# KiCad board Skayboard.kicad_pcb
title: Skayboard; date: 2022-06-07; rev: 0; company: Skaytacium Inc.
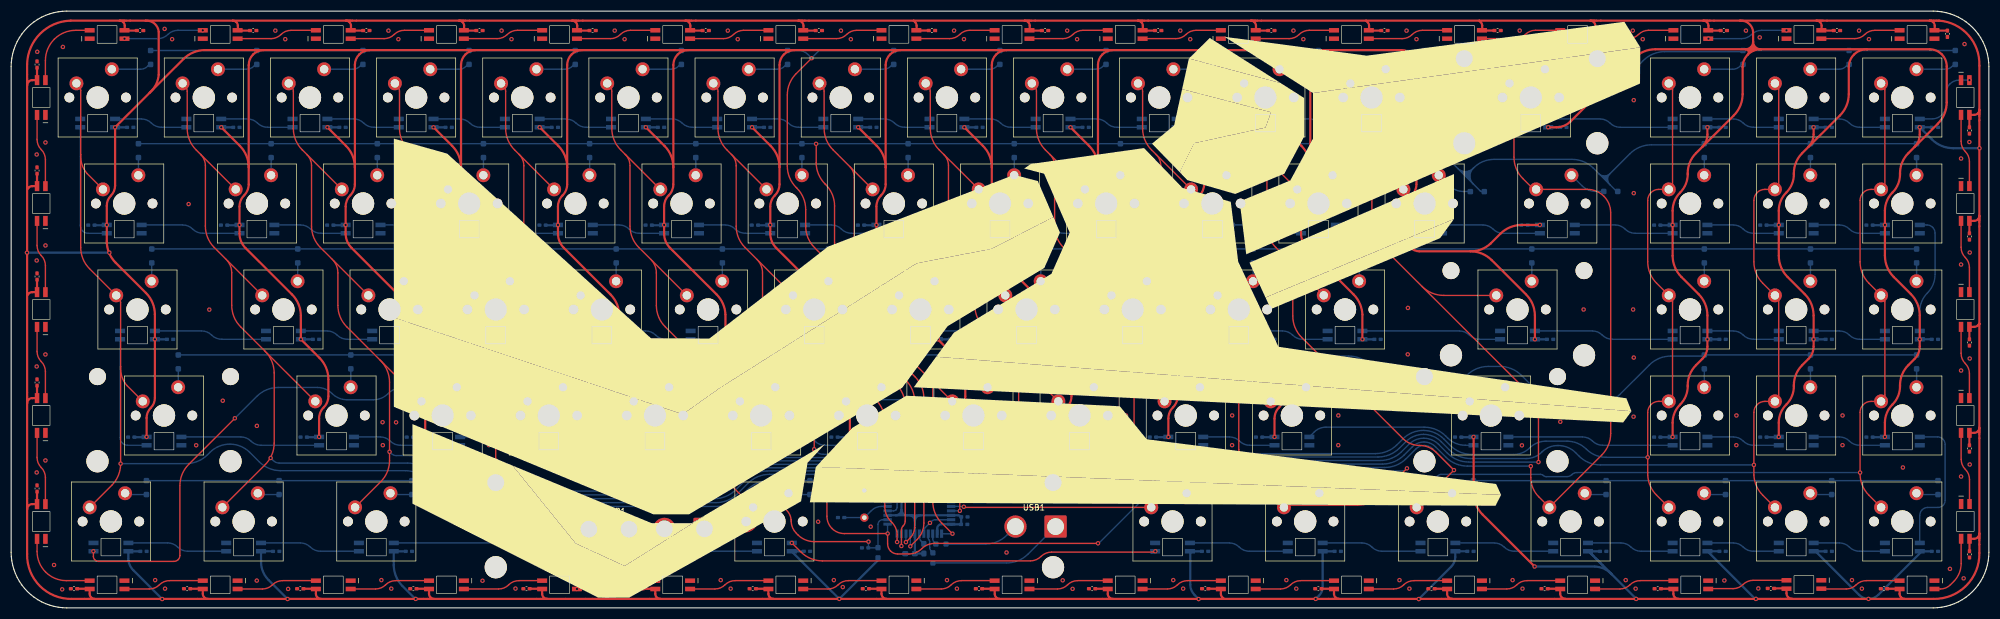
[diagram p0: board, top side]
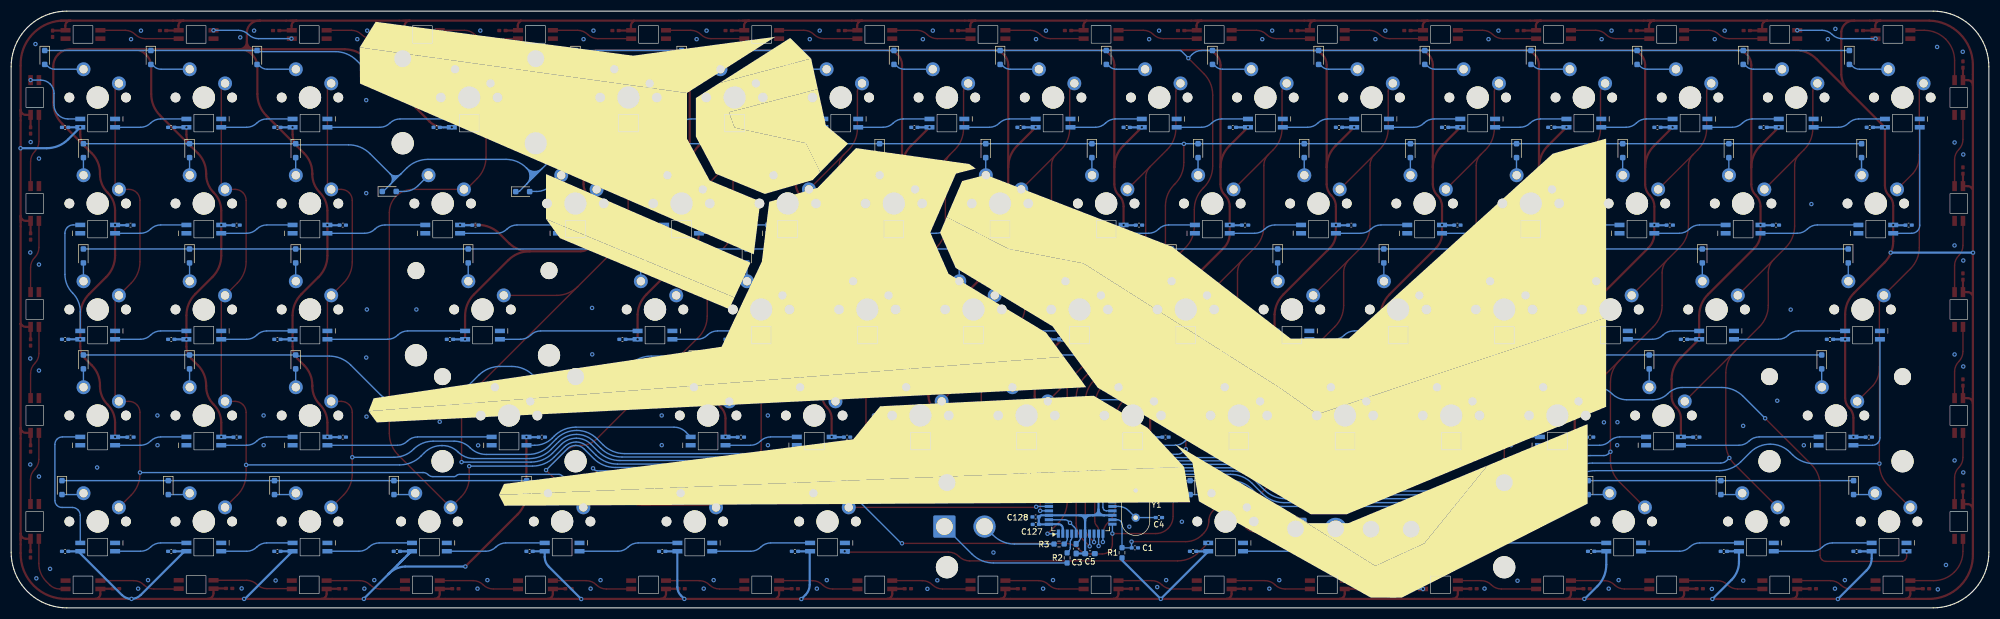
[diagram p1: board, bottom side, seen from below]

Outline 354.9 x 107.25 mm; copper layers: Top, Bottom. Coordinates in mm from the lower left corner of the outline.
Outline path: 0,10 0,97.25 0.03,98.04 0.12,98.82 0.28,99.59 0.49,100.34 0.76,101.08 1.09,101.79 1.47,102.48 1.91,103.13 2.4,103.75 2.93,104.32 3.51,104.86 4.12,105.34 4.78,105.78 5.46,106.16 6.17,106.49 6.91,106.76 7.67,106.98 8.44,107.13 9.22,107.22 10,107.25 344.9,107.25 345.69,107.22 346.47,107.13 347.24,106.98 347.99,106.76 348.73,106.49 349.44,106.16 350.13,105.78 350.78,105.34 351.4,104.86 351.97,104.32 352.51,103.75 352.99,103.13 353.43,102.48 353.81,101.79 354.14,101.08 354.41,100.34 354.62,99.59 354.78,98.82 354.87,98.04 354.9,97.25 354.9,10 354.87,9.22 354.78,8.44 354.62,7.67 354.41,6.91 354.14,6.17 353.81,5.46 353.43,4.78 352.99,4.12 352.51,3.51 351.97,2.93 351.4,2.4 350.78,1.91 350.13,1.47 349.44,1.09 348.73,0.76 347.99,0.49 347.24,0.28 346.47,0.12 345.69,0.03 344.9,0 10,0 9.22,0.03 8.44,0.12 7.67,0.28 6.91,0.49 6.17,0.76 5.46,1.09 4.78,1.47 4.12,1.91 3.51,2.4 2.93,2.93 2.4,3.51 1.91,4.12 1.47,4.78 1.09,5.46 0.76,6.17 0.49,6.91 0.28,7.67 0.12,8.44 0.03,9.22 0,10
Stack: Top 0.035mm / dielectric 1.51mm FR4 er 4.5 / Bottom 0.035mm

## Placement (name value [footprint] x y rotation side)
C1  100nF  [C_0402_1005Metric_Pad0.74x0.62mm_HandSolder]  153.25 10.79 0 bottom
C2  22pF  [C_0402_1005Metric_Pad0.74x0.62mm_HandSolder]  149.03 21.09 0 bottom
C3  1uF  [C_0603_1608Metric_Pad1.08x0.95mm_HandSolder]  163.79 10.63 90 bottom
C4  22pF  [C_0402_1005Metric_Pad0.74x0.62mm_HandSolder]  148.93 16.23 0 bottom
C5  10uF  [C_0603_1608Metric_Pad1.08x0.95mm_HandSolder]  161.3 9.74 0 bottom
C6  100nF  [C_0402_1005Metric_Pad0.74x0.62mm_HandSolder]  170.4 23.61 90 bottom
C7  100nF  [C_0402_1005Metric_Pad0.74x0.62mm_HandSolder]  21.37 86.37 180 bottom
C8  100nF  [C_0402_1005Metric_Pad0.74x0.62mm_HandSolder]  40.42 86.37 180 bottom
C9  100nF  [C_0402_1005Metric_Pad0.74x0.62mm_HandSolder]  59.47 86.37 180 bottom
C10  100nF  [C_0402_1005Metric_Pad0.74x0.62mm_HandSolder]  78.52 86.37 180 bottom
C11  100nF  [C_0402_1005Metric_Pad0.74x0.62mm_HandSolder]  97.57 86.37 180 bottom
C12  100nF  [C_0402_1005Metric_Pad0.74x0.62mm_HandSolder]  116.62 86.37 180 bottom
C13  100nF  [C_0402_1005Metric_Pad0.74x0.62mm_HandSolder]  135.67 86.37 180 bottom
C14  100nF  [C_0402_1005Metric_Pad0.74x0.62mm_HandSolder]  154.72 86.37 180 bottom
C15  100nF  [C_0402_1005Metric_Pad0.74x0.62mm_HandSolder]  173.77 86.37 180 bottom
C16  100nF  [C_0402_1005Metric_Pad0.74x0.62mm_HandSolder]  192.82 86.37 180 bottom
C17  100nF  [C_0402_1005Metric_Pad0.74x0.62mm_HandSolder]  211.87 86.37 180 bottom
C18  100nF  [C_0402_1005Metric_Pad0.74x0.62mm_HandSolder]  230.92 86.37 180 bottom
C19  100nF  [C_0402_1005Metric_Pad0.74x0.62mm_HandSolder]  249.97 86.37 180 bottom
C20  100nF  [C_0402_1005Metric_Pad0.74x0.62mm_HandSolder]  278.54 86.37 180 bottom
C21  100nF  [C_0402_1005Metric_Pad0.74x0.62mm_HandSolder]  307.12 86.37 180 bottom
C22  100nF  [C_0402_1005Metric_Pad0.74x0.62mm_HandSolder]  326.17 86.37 180 bottom
C23  100nF  [C_0402_1005Metric_Pad0.74x0.62mm_HandSolder]  345.22 86.37 180 bottom
C24  100nF  [C_0402_1005Metric_Pad0.74x0.62mm_HandSolder]  14.4 68.79 0 bottom
C25  100nF  [C_0402_1005Metric_Pad0.74x0.62mm_HandSolder]  38.22 68.79 0 bottom
C26  100nF  [C_0402_1005Metric_Pad0.74x0.62mm_HandSolder]  57.27 68.79 0 bottom
C27  100nF  [C_0402_1005Metric_Pad0.74x0.62mm_HandSolder]  76.32 68.79 0 bottom
C28  100nF  [C_0402_1005Metric_Pad0.74x0.62mm_HandSolder]  95.37 68.79 0 bottom
C29  100nF  [C_0402_1005Metric_Pad0.74x0.62mm_HandSolder]  114.42 68.79 0 bottom
C30  100nF  [C_0402_1005Metric_Pad0.74x0.62mm_HandSolder]  133.47 68.79 0 bottom
C31  100nF  [C_0402_1005Metric_Pad0.74x0.62mm_HandSolder]  152.52 68.79 0 bottom
C32  100nF  [C_0402_1005Metric_Pad0.74x0.62mm_HandSolder]  171.57 68.79 0 bottom
C33  100nF  [C_0402_1005Metric_Pad0.74x0.62mm_HandSolder]  190.62 68.79 0 bottom
C34  100nF  [C_0402_1005Metric_Pad0.74x0.62mm_HandSolder]  209.67 68.79 0 bottom
C35  100nF  [C_0402_1005Metric_Pad0.74x0.62mm_HandSolder]  228.72 68.79 0 bottom
C36  100nF  [C_0402_1005Metric_Pad0.74x0.62mm_HandSolder]  247.77 68.79 0 bottom
C37  100nF  [C_0402_1005Metric_Pad0.74x0.62mm_HandSolder]  271.58 68.79 0 bottom
C38  100nF  [C_0402_1005Metric_Pad0.74x0.62mm_HandSolder]  295.39 68.79 0 bottom
C39  100nF  [C_0402_1005Metric_Pad0.74x0.62mm_HandSolder]  314.44 68.79 0 bottom
C40  100nF  [C_0402_1005Metric_Pad0.74x0.62mm_HandSolder]  333.49 68.79 0 bottom
C41  100nF  [C_0402_1005Metric_Pad0.74x0.62mm_HandSolder]  21.55 30.69 0 bottom
C42  100nF  [C_0402_1005Metric_Pad0.74x0.62mm_HandSolder]  54.7 48.26 180 bottom
C43  100nF  [C_0402_1005Metric_Pad0.74x0.62mm_HandSolder]  73.75 48.26 180 bottom
C44  100nF  [C_0402_1005Metric_Pad0.74x0.62mm_HandSolder]  92.8 48.26 180 bottom
C45  100nF  [C_0402_1005Metric_Pad0.74x0.62mm_HandSolder]  111.85 48.26 180 bottom
C46  100nF  [C_0402_1005Metric_Pad0.74x0.62mm_HandSolder]  130.9 48.26 180 bottom
C47  100nF  [C_0402_1005Metric_Pad0.74x0.62mm_HandSolder]  149.95 48.26 180 bottom
C48  100nF  [C_0402_1005Metric_Pad0.74x0.62mm_HandSolder]  169 48.26 180 bottom
C49  100nF  [C_0402_1005Metric_Pad0.74x0.62mm_HandSolder]  188.05 48.26 180 bottom
C50  100nF  [C_0402_1005Metric_Pad0.74x0.62mm_HandSolder]  207.1 48.26 180 bottom
C51  100nF  [C_0402_1005Metric_Pad0.74x0.62mm_HandSolder]  226.15 48.26 180 bottom
C52  100nF  [C_0402_1005Metric_Pad0.74x0.62mm_HandSolder]  245.2 48.26 180 bottom
C53  100nF  [C_0402_1005Metric_Pad0.74x0.62mm_HandSolder]  276.16 48.26 180 bottom
C54  100nF  [C_0402_1005Metric_Pad0.74x0.62mm_HandSolder]  307.12 48.26 180 bottom
C55  100nF  [C_0402_1005Metric_Pad0.74x0.62mm_HandSolder]  326.17 48.26 180 bottom
C56  100nF  [C_0402_1005Metric_Pad0.74x0.62mm_HandSolder]  345.22 48.26 180 bottom
C57  100nF  [C_0402_1005Metric_Pad0.74x0.62mm_HandSolder]  23.75 10.16 180 bottom
C58  100nF  [C_0402_1005Metric_Pad0.74x0.62mm_HandSolder]  52.5 30.69 0 bottom
C59  100nF  [C_0402_1005Metric_Pad0.74x0.62mm_HandSolder]  71.55 30.69 0 bottom
C60  100nF  [C_0402_1005Metric_Pad0.74x0.62mm_HandSolder]  90.6 30.69 0 bottom
C61  100nF  [C_0402_1005Metric_Pad0.74x0.62mm_HandSolder]  109.65 30.69 0 bottom
C62  100nF  [C_0402_1005Metric_Pad0.74x0.62mm_HandSolder]  128.7 30.69 0 bottom
C63  100nF  [C_0402_1005Metric_Pad0.74x0.62mm_HandSolder]  147.75 30.69 0 bottom
C64  100nF  [C_0402_1005Metric_Pad0.74x0.62mm_HandSolder]  166.8 30.69 0 bottom
C65  100nF  [C_0402_1005Metric_Pad0.74x0.62mm_HandSolder]  185.85 30.69 0 bottom
C66  100nF  [C_0402_1005Metric_Pad0.74x0.62mm_HandSolder]  204.9 30.69 0 bottom
C67  100nF  [C_0402_1005Metric_Pad0.74x0.62mm_HandSolder]  223.95 30.69 0 bottom
C68  100nF  [C_0402_1005Metric_Pad0.74x0.62mm_HandSolder]  259.67 30.69 0 bottom
C69  100nF  [C_0402_1005Metric_Pad0.74x0.62mm_HandSolder]  295.39 30.69 0 bottom
C70  100nF  [C_0402_1005Metric_Pad0.74x0.62mm_HandSolder]  314.44 30.69 0 bottom
C71  100nF  [C_0402_1005Metric_Pad0.74x0.62mm_HandSolder]  333.49 30.69 0 bottom
C72  100nF  [C_0402_1005Metric_Pad0.74x0.62mm_HandSolder]  28.51 48.26 180 bottom
C73  100nF  [C_0402_1005Metric_Pad0.74x0.62mm_HandSolder]  47.56 10.16 180 bottom
C74  100nF  [C_0402_1005Metric_Pad0.74x0.62mm_HandSolder]  71.37 10.16 180 bottom
C75  100nF  [C_0402_1005Metric_Pad0.74x0.62mm_HandSolder]  142.81 10.16 180 bottom
C76  100nF  [C_0402_1005Metric_Pad0.74x0.62mm_HandSolder]  214.25 10.16 180 bottom
C77  100nF  [C_0402_1005Metric_Pad0.74x0.62mm_HandSolder]  238.06 10.16 180 bottom
C78  100nF  [C_0402_1005Metric_Pad0.74x0.62mm_HandSolder]  261.87 10.16 180 bottom
C79  100nF  [C_0402_1005Metric_Pad0.74x0.62mm_HandSolder]  285.68 10.16 180 bottom
C80  100nF  [C_0402_1005Metric_Pad0.74x0.62mm_HandSolder]  307.12 10.16 180 bottom
C81  100nF  [C_0402_1005Metric_Pad0.74x0.62mm_HandSolder]  326.17 10.16 180 bottom
C82  100nF  [C_0402_1005Metric_Pad0.74x0.62mm_HandSolder]  345.22 10.16 180 bottom
C83  100nF  [C_0402_1005Metric_Pad0.74x0.62mm_HandSolder]  351.43 9.61 90 top
C84  100nF  [C_0402_1005Metric_Pad0.74x0.62mm_HandSolder]  351.42 85.8 90 top
C85  100nF  [C_0402_1005Metric_Pad0.74x0.62mm_HandSolder]  351.42 66.75 90 top
C86  100nF  [C_0402_1005Metric_Pad0.74x0.62mm_HandSolder]  351.42 47.7 90 top
C87  100nF  [C_0402_1005Metric_Pad0.74x0.62mm_HandSolder]  351.42 28.65 90 top
C88  100nF  [C_0402_1005Metric_Pad0.74x0.62mm_HandSolder]  336.08 3.44 0 top
C89  100nF  [C_0402_1005Metric_Pad0.74x0.62mm_HandSolder]  315.78 3.5 0 top
C90  100nF  [C_0402_1005Metric_Pad0.74x0.62mm_HandSolder]  295.48 3.44 0 top
C91  100nF  [C_0402_1005Metric_Pad0.74x0.62mm_HandSolder]  275.18 3.44 0 top
C92  100nF  [C_0402_1005Metric_Pad0.74x0.62mm_HandSolder]  254.88 3.44 0 top
C93  100nF  [C_0402_1005Metric_Pad0.74x0.62mm_HandSolder]  234.58 3.44 0 top
C94  100nF  [C_0402_1005Metric_Pad0.74x0.62mm_HandSolder]  214.28 3.44 0 top
C95  100nF  [C_0402_1005Metric_Pad0.74x0.62mm_HandSolder]  193.98 3.44 0 top
C96  100nF  [C_0402_1005Metric_Pad0.74x0.62mm_HandSolder]  173.68 3.44 0 top
C97  100nF  [C_0402_1005Metric_Pad0.74x0.62mm_HandSolder]  153.38 3.44 0 top
C98  100nF  [C_0402_1005Metric_Pad0.74x0.62mm_HandSolder]  133.08 3.44 0 top
C99  100nF  [C_0402_1005Metric_Pad0.74x0.62mm_HandSolder]  112.78 3.44 0 top
C100  100nF  [C_0402_1005Metric_Pad0.74x0.62mm_HandSolder]  92.48 3.44 0 top
C101  100nF  [C_0402_1005Metric_Pad0.74x0.62mm_HandSolder]  72.18 3.44 0 top
C102  100nF  [C_0402_1005Metric_Pad0.74x0.62mm_HandSolder]  51.88 3.44 0 top
C103  100nF  [C_0402_1005Metric_Pad0.74x0.62mm_HandSolder]  31.58 3.44 0 top
C104  100nF  [C_0402_1005Metric_Pad0.74x0.62mm_HandSolder]  11.28 3.44 0 top
C105  100nF  [C_0402_1005Metric_Pad0.74x0.62mm_HandSolder]  4.65 21.45 270 top
C106  100nF  [C_0402_1005Metric_Pad0.74x0.62mm_HandSolder]  4.65 40.5 270 top
C107  100nF  [C_0402_1005Metric_Pad0.74x0.62mm_HandSolder]  4.65 59.55 270 top
C108  100nF  [C_0402_1005Metric_Pad0.74x0.62mm_HandSolder]  4.65 78.6 270 top
C109  100nF  [C_0402_1005Metric_Pad0.74x0.62mm_HandSolder]  4.65 97.65 270 top
C110  100nF  [C_0402_1005Metric_Pad0.74x0.62mm_HandSolder]  23.14 103.76 180 top
C111  100nF  [C_0402_1005Metric_Pad0.74x0.62mm_HandSolder]  43.44 103.76 180 top
C112  100nF  [C_0402_1005Metric_Pad0.74x0.62mm_HandSolder]  63.74 103.76 180 top
C113  100nF  [C_0402_1005Metric_Pad0.74x0.62mm_HandSolder]  84.04 103.76 180 top
C114  100nF  [C_0402_1005Metric_Pad0.74x0.62mm_HandSolder]  104.34 103.76 180 top
C115  100nF  [C_0402_1005Metric_Pad0.74x0.62mm_HandSolder]  124.64 103.76 180 top
C116  100nF  [C_0402_1005Metric_Pad0.74x0.62mm_HandSolder]  144.94 103.76 180 top
C117  100nF  [C_0402_1005Metric_Pad0.74x0.62mm_HandSolder]  165.24 103.76 180 top
C118  100nF  [C_0402_1005Metric_Pad0.74x0.62mm_HandSolder]  185.54 103.76 180 top
C119  100nF  [C_0402_1005Metric_Pad0.74x0.62mm_HandSolder]  205.84 103.76 180 top
C120  100nF  [C_0402_1005Metric_Pad0.74x0.62mm_HandSolder]  226.14 103.76 180 top
C121  100nF  [C_0402_1005Metric_Pad0.74x0.62mm_HandSolder]  246.44 103.76 180 top
C122  100nF  [C_0402_1005Metric_Pad0.74x0.62mm_HandSolder]  266.74 103.76 180 top
C123  100nF  [C_0402_1005Metric_Pad0.74x0.62mm_HandSolder]  287.04 103.76 180 top
C124  100nF  [C_0402_1005Metric_Pad0.74x0.62mm_HandSolder]  307.34 103.76 180 top
C125  100nF  [C_0402_1005Metric_Pad0.74x0.62mm_HandSolder]  327.64 103.76 180 top
C126  100nF  [C_0402_1005Metric_Pad0.74x0.62mm_HandSolder]  347.46 103.18 90 top
C127  100nF  [C_0402_1005Metric_Pad0.74x0.62mm_HandSolder]  171.02 15 0 bottom
C128  100nF  [C_0402_1005Metric_Pad0.74x0.62mm_HandSolder]  171.06 16.34 0 bottom
D1  1N4148WS  [D_SOD-323_HandSoldering]  25.03 98.92 270 bottom
D2  1N4148WS  [D_SOD-323_HandSoldering]  44.08 98.92 270 bottom
D3  1N4148WS  [D_SOD-323_HandSoldering]  63.13 98.92 270 bottom
D4  1N4148WS  [D_SOD-323_HandSoldering]  82.18 98.92 270 bottom
D5  1N4148WS  [D_SOD-323_HandSoldering]  101.23 98.92 270 bottom
D6  1N4148WS  [D_SOD-323_HandSoldering]  120.28 98.92 270 bottom
D7  1N4148WS  [D_SOD-323_HandSoldering]  139.33 98.92 270 bottom
D8  1N4148WS  [D_SOD-323_HandSoldering]  158.38 98.92 270 bottom
D9  1N4148WS  [D_SOD-323_HandSoldering]  177.43 98.92 270 bottom
D10  1N4148WS  [D_SOD-323_HandSoldering]  196.48 98.92 270 bottom
D11  1N4148WS  [D_SOD-323_HandSoldering]  215.53 98.92 270 bottom
D12  1N4148WS  [D_SOD-323_HandSoldering]  234.58 98.92 270 bottom
D13  1N4148WS  [D_SOD-323_HandSoldering]  253.63 98.92 270 bottom
D14  1N4148WS  [D_SOD-323_HandSoldering]  282.2 93.89 180 bottom
D15  1N4148WS  [D_SOD-323_HandSoldering]  310.78 98.92 270 bottom
D16  1N4148WS  [D_SOD-323_HandSoldering]  329.83 98.92 270 bottom
D17  1N4148WS  [D_SOD-323_HandSoldering]  348.88 98.92 270 bottom
D18  1N4148WS  [D_SOD-323_HandSoldering]  22.84 82.18 270 bottom
D19  1N4148WS  [D_SOD-323_HandSoldering]  46.66 82.18 270 bottom
D20  1N4148WS  [D_SOD-323_HandSoldering]  65.71 82.18 270 bottom
D21  1N4148WS  [D_SOD-323_HandSoldering]  84.76 82.18 270 bottom
D22  1N4148WS  [D_SOD-323_HandSoldering]  103.81 82.18 270 bottom
D23  1N4148WS  [D_SOD-323_HandSoldering]  122.86 82.18 270 bottom
D24  1N4148WS  [D_SOD-323_HandSoldering]  141.91 82.18 270 bottom
D25  1N4148WS  [D_SOD-323_HandSoldering]  160.96 82.18 270 bottom
D26  1N4148WS  [D_SOD-323_HandSoldering]  180.01 82.18 270 bottom
D27  1N4148WS  [D_SOD-323_HandSoldering]  199.06 82.18 270 bottom
D28  1N4148WS  [D_SOD-323_HandSoldering]  218.11 82.18 270 bottom
D29  1N4148WS  [D_SOD-323_HandSoldering]  237.16 82.18 270 bottom
D30  1N4148WS  [D_SOD-323_HandSoldering]  263.1 74.81 180 bottom
D31  1N4148WS  [D_SOD-323_HandSoldering]  287.05 74.84 180 bottom
D32  1N4148WS  [D_SOD-323_HandSoldering]  303.83 82.18 270 bottom
D33  1N4148WS  [D_SOD-323_HandSoldering]  322.88 82.18 270 bottom
D34  1N4148WS  [D_SOD-323_HandSoldering]  341.93 82.18 270 bottom
D35  1N4148WS  [D_SOD-323_HandSoldering]  30 44.2 270 bottom
D36  1N4148WS  [D_SOD-323_HandSoldering]  51.43 63.25 270 bottom
D37  1N4148WS  [D_SOD-323_HandSoldering]  70.48 63.25 270 bottom
D38  1N4148WS  [D_SOD-323_HandSoldering]  89.53 63.25 270 bottom
D39  1N4148WS  [D_SOD-323_HandSoldering]  108.58 63.25 270 bottom
D40  1N4148WS  [D_SOD-323_HandSoldering]  127.63 63.25 270 bottom
D41  1N4148WS  [D_SOD-323_HandSoldering]  146.68 63.25 270 bottom
D42  1N4148WS  [D_SOD-323_HandSoldering]  165.73 63.25 270 bottom
D43  1N4148WS  [D_SOD-323_HandSoldering]  184.78 63.25 270 bottom
D44  1N4148WS  [D_SOD-323_HandSoldering]  203.83 63.25 270 bottom
D45  1N4148WS  [D_SOD-323_HandSoldering]  222.88 63.25 270 bottom
D46  1N4148WS  [D_SOD-323_HandSoldering]  241.93 63.25 270 bottom
D47  1N4148WS  [D_SOD-323_HandSoldering]  272.88 63.25 270 bottom
D48  1N4148WS  [D_SOD-323_HandSoldering]  303.84 63.25 270 bottom
D49  1N4148WS  [D_SOD-323_HandSoldering]  322.89 63.25 270 bottom
D50  1N4148WS  [D_SOD-323_HandSoldering]  341.94 63.25 270 bottom
D51  1N4148WS  [D_SOD-323_HandSoldering]  24.28 21.62 270 bottom
D52  1N4148WS  [D_SOD-323_HandSoldering]  60.95 44.2 270 bottom
D53  1N4148WS  [D_SOD-323_HandSoldering]  80 44.2 270 bottom
D54  1N4148WS  [D_SOD-323_HandSoldering]  99.05 44.2 270 bottom
D55  1N4148WS  [D_SOD-323_HandSoldering]  118.1 44.2 270 bottom
D56  1N4148WS  [D_SOD-323_HandSoldering]  137.15 44.2 270 bottom
D57  1N4148WS  [D_SOD-323_HandSoldering]  156.2 44.2 270 bottom
D58  1N4148WS  [D_SOD-323_HandSoldering]  175.25 44.2 270 bottom
D59  1N4148WS  [D_SOD-323_HandSoldering]  194.3 44.2 270 bottom
D60  1N4148WS  [D_SOD-323_HandSoldering]  213.35 44.2 270 bottom
D61  1N4148WS  [D_SOD-323_HandSoldering]  232.4 44.2 270 bottom
D62  1N4148WS  [D_SOD-323_HandSoldering]  275.02 36.74 180 bottom
D63  1N4148WS  [D_SOD-323_HandSoldering]  303.84 44.2 270 bottom
D64  1N4148WS  [D_SOD-323_HandSoldering]  322.89 44.2 270 bottom
D65  1N4148WS  [D_SOD-323_HandSoldering]  341.94 44.2 270 bottom
D66  1N4148WS  [D_SOD-323_HandSoldering]  25.23 63.25 270 bottom
D67  1N4148WS  [D_SOD-323_HandSoldering]  48.09 21.62 270 bottom
D68  1N4148WS  [D_SOD-323_HandSoldering]  71.9 21.62 270 bottom
D69  1N4148WS  [D_SOD-323_HandSoldering]  143.34 21.62 270 bottom
D70  1N4148WS  [D_SOD-323_HandSoldering]  214.78 21.62 270 bottom
D71  1N4148WS  [D_SOD-323_HandSoldering]  238.59 21.62 270 bottom
D72  1N4148WS  [D_SOD-323_HandSoldering]  262.4 21.62 270 bottom
D73  1N4148WS  [D_SOD-323_HandSoldering]  286.21 21.62 270 bottom
D74  1N4148WS  [D_SOD-323_HandSoldering]  307.65 21.62 270 bottom
D75  1N4148WS  [D_SOD-323_HandSoldering]  326.7 21.62 270 bottom
D76  1N4148WS  [D_SOD-323_HandSoldering]  345.78 21.62 270 bottom
LED1  -  [SK6812MINI-E]  15.53 87.13 0 bottom  (not fitted)
LED2  -  [SK6812MINI-E]  34.58 87.13 0 bottom  (not fitted)
LED3  -  [SK6812MINI-E]  53.63 87.13 0 bottom  (not fitted)
LED4  -  [SK6812MINI-E]  72.68 87.13 0 bottom  (not fitted)
LED5  -  [SK6812MINI-E]  91.73 87.13 0 bottom  (not fitted)
LED6  -  [SK6812MINI-E]  110.77 87.13 0 bottom  (not fitted)
LED7  -  [SK6812MINI-E]  129.83 87.13 0 bottom  (not fitted)
LED8  -  [SK6812MINI-E]  148.88 87.13 0 bottom  (not fitted)
LED9  -  [SK6812MINI-E]  167.93 87.13 0 bottom  (not fitted)
LED10  -  [SK6812MINI-E]  186.98 87.13 0 bottom  (not fitted)
LED11  -  [SK6812MINI-E]  206.03 87.13 0 bottom  (not fitted)
LED12  -  [SK6812MINI-E]  225.08 87.13 0 bottom  (not fitted)
LED13  -  [SK6812MINI-E]  244.13 87.13 0 bottom  (not fitted)
LED14  -  [SK6812MINI-E]  272.7 87.13 0 bottom  (not fitted)
LED15  -  [SK6812MINI-E]  301.28 87.13 0 bottom  (not fitted)
LED16  -  [SK6812MINI-E]  320.33 87.13 0 bottom  (not fitted)
LED17  -  [SK6812MINI-E]  339.38 87.13 0 bottom  (not fitted)
LED18  -  [SK6812MINI-E]  20.29 68.07 180 bottom  (not fitted)
LED19  -  [SK6812MINI-E]  44.1 68.07 180 bottom  (not fitted)
LED20  -  [SK6812MINI-E]  63.15 68.07 180 bottom  (not fitted)
LED21  -  [SK6812MINI-E]  82.2 68.07 180 bottom  (not fitted)
LED22  -  [SK6812MINI-E]  101.25 68.07 180 bottom  (not fitted)
LED23  -  [SK6812MINI-E]  120.3 68.07 180 bottom  (not fitted)
LED24  -  [SK6812MINI-E]  139.35 68.07 180 bottom  (not fitted)
LED25  -  [SK6812MINI-E]  158.4 68.07 180 bottom  (not fitted)
LED26  -  [SK6812MINI-E]  177.45 68.07 180 bottom  (not fitted)
LED27  -  [SK6812MINI-E]  196.5 68.07 180 bottom  (not fitted)
LED28  -  [SK6812MINI-E]  215.55 68.07 180 bottom  (not fitted)
LED29  -  [SK6812MINI-E]  234.6 68.07 180 bottom  (not fitted)
LED30  -  [SK6812MINI-E]  253.65 68.07 180 bottom  (not fitted)
LED31  -  [SK6812MINI-E]  277.46 68.07 180 bottom  (not fitted)
LED32  -  [SK6812MINI-E]  301.28 68.07 180 bottom  (not fitted)
LED33  -  [SK6812MINI-E]  320.33 68.07 180 bottom  (not fitted)
LED34  -  [SK6812MINI-E]  339.38 68.08 180 bottom  (not fitted)
LED35  -  [SK6812MINI-E]  27.43 29.97 180 bottom  (not fitted)
LED36  -  [SK6812MINI-E]  48.86 49.02 0 bottom  (not fitted)
LED37  -  [SK6812MINI-E]  67.91 49.02 0 bottom  (not fitted)
LED38  -  [SK6812MINI-E]  86.96 49.02 0 bottom  (not fitted)
LED39  -  [SK6812MINI-E]  106.01 49.02 0 bottom  (not fitted)
LED40  -  [SK6812MINI-E]  125.06 49.02 0 bottom  (not fitted)
LED41  -  [SK6812MINI-E]  144.11 49.02 0 bottom  (not fitted)
LED42  -  [SK6812MINI-E]  163.16 49.02 0 bottom  (not fitted)
LED43  -  [SK6812MINI-E]  182.21 49.02 0 bottom  (not fitted)
LED44  -  [SK6812MINI-E]  201.26 49.02 0 bottom  (not fitted)
LED45  -  [SK6812MINI-E]  220.31 49.02 0 bottom  (not fitted)
LED46  -  [SK6812MINI-E]  239.36 49.02 0 bottom  (not fitted)
LED47  -  [SK6812MINI-E]  270.32 49.02 0 bottom  (not fitted)
LED48  -  [SK6812MINI-E]  301.28 49.02 0 bottom  (not fitted)
LED49  -  [SK6812MINI-E]  320.33 49.02 0 bottom  (not fitted)
LED50  -  [SK6812MINI-E]  339.38 49.02 0 bottom  (not fitted)
LED51  -  [SK6812MINI-E]  17.91 10.92 0 bottom  (not fitted)
LED52  -  [SK6812MINI-E]  58.39 29.97 180 bottom  (not fitted)
LED53  -  [SK6812MINI-E]  77.44 29.97 180 bottom  (not fitted)
LED54  -  [SK6812MINI-E]  96.49 29.97 180 bottom  (not fitted)
LED55  -  [SK6812MINI-E]  115.54 29.97 180 bottom  (not fitted)
LED56  -  [SK6812MINI-E]  134.59 29.97 180 bottom  (not fitted)
LED57  -  [SK6812MINI-E]  153.64 29.97 180 bottom  (not fitted)
LED58  -  [SK6812MINI-E]  172.69 29.97 180 bottom  (not fitted)
LED59  -  [SK6812MINI-E]  191.74 29.97 180 bottom  (not fitted)
LED60  -  [SK6812MINI-E]  210.79 29.97 180 bottom  (not fitted)
LED61  -  [SK6812MINI-E]  229.84 29.97 180 bottom  (not fitted)
LED62  -  [SK6812MINI-E]  265.56 29.97 180 bottom  (not fitted)
LED63  -  [SK6812MINI-E]  301.28 29.97 180 bottom  (not fitted)
LED64  -  [SK6812MINI-E]  320.33 29.97 180 bottom  (not fitted)
LED65  -  [SK6812MINI-E]  339.38 29.97 180 bottom  (not fitted)
LED66  -  [SK6812MINI-E]  22.67 49.02 0 bottom  (not fitted)
LED67  -  [SK6812MINI-E]  41.72 10.92 0 bottom  (not fitted)
LED68  -  [SK6812MINI-E]  65.53 10.92 0 bottom  (not fitted)
LED69  -  [SK6812MINI-E]  136.97 10.92 0 bottom  (not fitted)
LED70  -  [SK6812MINI-E]  208.41 10.92 0 bottom  (not fitted)
LED71  -  [SK6812MINI-E]  232.22 10.92 0 bottom  (not fitted)
LED72  -  [SK6812MINI-E]  256.03 10.92 0 bottom  (not fitted)
LED73  -  [SK6812MINI-E]  279.84 10.92 0 bottom  (not fitted)
LED74  -  [SK6812MINI-E]  301.28 10.92 0 bottom  (not fitted)
LED75  -  [SK6812MINI-E]  320.33 10.92 0 bottom  (not fitted)
LED76  -  [SK6812MINI-E]  339.38 10.92 0 bottom  (not fitted)
LED77  -  [SK6812MINI-E]  350.67 91.73 270 top  (not fitted)
LED78  -  [SK6812MINI-E]  350.67 72.68 270 top  (not fitted)
LED79  -  [SK6812MINI-E]  350.67 53.63 270 top  (not fitted)
LED80  -  [SK6812MINI-E]  350.67 34.58 270 top  (not fitted)
LED81  -  [SK6812MINI-E]  350.68 15.54 270 top  (not fitted)
LED82  -  [SK6812MINI-E]  342.01 4.14 180 top  (not fitted)
LED83  -  [SK6812MINI-E]  321.71 4.2 180 top  (not fitted)
LED84  -  [SK6812MINI-E]  301.41 4.14 180 top  (not fitted)
LED85  -  [SK6812MINI-E]  281.11 4.14 180 top  (not fitted)
LED86  -  [SK6812MINI-E]  260.81 4.14 180 top  (not fitted)
LED87  -  [SK6812MINI-E]  240.51 4.14 180 top  (not fitted)
LED88  -  [SK6812MINI-E]  220.21 4.14 180 top  (not fitted)
LED89  -  [SK6812MINI-E]  199.91 4.14 180 top  (not fitted)
LED90  -  [SK6812MINI-E]  179.61 4.14 180 top  (not fitted)
LED91  -  [SK6812MINI-E]  159.31 4.14 180 top  (not fitted)
LED92  -  [SK6812MINI-E]  139.01 4.14 180 top  (not fitted)
LED93  -  [SK6812MINI-E]  118.71 4.14 180 top  (not fitted)
LED94  -  [SK6812MINI-E]  98.41 4.14 180 top  (not fitted)
LED95  -  [SK6812MINI-E]  78.11 4.14 180 top  (not fitted)
LED96  -  [SK6812MINI-E]  57.81 4.14 180 top  (not fitted)
LED97  -  [SK6812MINI-E]  37.51 4.14 180 top  (not fitted)
LED98  -  [SK6812MINI-E]  17.21 4.14 180 top  (not fitted)
LED99  -  [SK6812MINI-E]  5.4 15.52 90 top  (not fitted)
LED100  -  [SK6812MINI-E]  5.4 34.57 90 top  (not fitted)
LED101  -  [SK6812MINI-E]  5.4 53.62 90 top  (not fitted)
LED102  -  [SK6812MINI-E]  5.4 72.67 90 top  (not fitted)
LED103  -  [SK6812MINI-E]  5.4 91.72 90 top  (not fitted)
LED104  -  [SK6812MINI-E]  17.21 103.06 0 top  (not fitted)
LED105  -  [SK6812MINI-E]  37.51 103.06 0 top  (not fitted)
LED106  -  [SK6812MINI-E]  57.81 103.06 0 top  (not fitted)
LED107  -  [SK6812MINI-E]  78.11 103.06 0 top  (not fitted)
LED108  -  [SK6812MINI-E]  98.41 103.06 0 top  (not fitted)
LED109  -  [SK6812MINI-E]  118.71 103.06 0 top  (not fitted)
LED110  -  [SK6812MINI-E]  139.01 103.06 0 top  (not fitted)
LED111  -  [SK6812MINI-E]  159.31 103.06 0 top  (not fitted)
LED112  -  [SK6812MINI-E]  179.61 103.06 0 top  (not fitted)
LED113  -  [SK6812MINI-E]  199.91 103.06 0 top  (not fitted)
LED114  -  [SK6812MINI-E]  220.21 103.06 0 top  (not fitted)
LED115  -  [SK6812MINI-E]  240.51 103.06 0 top  (not fitted)
LED116  -  [SK6812MINI-E]  260.81 103.06 0 top  (not fitted)
LED117  -  [SK6812MINI-E]  281.11 103.06 0 top  (not fitted)
LED118  -  [SK6812MINI-E]  301.41 103.06 0 top  (not fitted)
LED119  -  [SK6812MINI-E]  321.71 103.06 0 top  (not fitted)
LED120  -  [SK6812MINI-E]  342.01 103.06 0 top  (not fitted)
MX1  -  [MX]  15.53 91.73 0 top  (not fitted)
MX2  -  [MX]  34.58 91.73 0 top  (not fitted)
MX3  -  [MX]  53.63 91.73 0 top  (not fitted)
MX4  -  [MX]  72.68 91.73 0 top  (not fitted)
MX5  -  [MX]  91.73 91.73 0 top  (not fitted)
MX6  -  [MX]  110.77 91.73 0 top  (not fitted)
MX7  -  [MX]  129.83 91.73 0 top  (not fitted)
MX8  -  [MX]  148.88 91.73 0 top  (not fitted)
MX9  -  [MX]  167.93 91.73 0 top  (not fitted)
MX10  -  [MX]  186.98 91.73 0 top  (not fitted)
MX11  -  [MX]  206.03 91.73 0 top  (not fitted)
MX12  -  [MX]  225.08 91.73 0 top  (not fitted)
MX13  -  [MX]  244.13 91.73 0 top  (not fitted)
MX14  -  [MX]  272.7 91.73 0 top  (not fitted)
MX15  -  [MX]  301.28 91.73 0 top  (not fitted)
MX16  -  [MX]  320.33 91.73 0 top  (not fitted)
MX17  -  [MX]  339.38 91.73 0 top  (not fitted)
MX18  -  [MX]  20.29 72.68 0 top  (not fitted)
MX19  -  [MX]  44.1 72.68 0 top  (not fitted)
MX20  -  [MX]  63.15 72.68 0 top  (not fitted)
MX21  -  [MX]  82.2 72.68 0 top  (not fitted)
MX22  -  [MX]  101.25 72.68 0 top  (not fitted)
MX23  -  [MX]  120.3 72.68 0 top  (not fitted)
MX24  -  [MX]  139.35 72.68 0 top  (not fitted)
MX25  -  [MX]  158.4 72.68 0 top  (not fitted)
MX26  -  [MX]  177.45 72.68 0 top  (not fitted)
MX27  -  [MX]  196.5 72.68 0 top  (not fitted)
MX28  -  [MX]  215.55 72.68 0 top  (not fitted)
MX29  -  [MX]  234.6 72.68 0 top  (not fitted)
MX30  -  [MX]  253.65 72.68 0 top  (not fitted)
MX31  -  [MX]  277.46 72.68 0 top  (not fitted)
MX32  -  [MX]  301.28 72.68 0 top  (not fitted)
MX33  -  [MX]  320.33 72.68 0 top  (not fitted)
MX34  -  [MX]  339.38 72.68 0 top  (not fitted)
MX35  -  [MX]  27.43 34.58 0 top  (not fitted)
MX36  -  [MX]  48.86 53.63 0 top  (not fitted)
MX37  -  [MX]  67.91 53.63 0 top  (not fitted)
MX38  -  [MX]  86.96 53.63 0 top  (not fitted)
MX39  -  [MX]  106.01 53.63 0 top  (not fitted)
MX40  -  [MX]  125.06 53.63 0 top  (not fitted)
MX41  -  [MX]  144.11 53.63 0 top  (not fitted)
MX42  -  [MX]  163.16 53.63 0 top  (not fitted)
MX43  -  [MX]  182.21 53.63 0 top  (not fitted)
MX44  -  [MX]  201.26 53.63 0 top  (not fitted)
MX45  -  [MX]  220.31 53.63 0 top  (not fitted)
MX46  -  [MX]  239.36 53.63 0 top  (not fitted)
MX47  -  [MX]  270.32 53.63 0 top  (not fitted)
MX48  -  [MX]  301.28 53.63 0 top  (not fitted)
MX49  -  [MX]  320.33 53.63 0 top  (not fitted)
MX50  -  [MX]  339.38 53.63 0 top  (not fitted)
MX51  -  [MX]  17.91 15.53 0 top  (not fitted)
MX52  -  [MX]  58.39 34.58 0 top  (not fitted)
MX53  -  [MX]  77.44 34.58 0 top  (not fitted)
MX54  -  [MX]  96.49 34.58 0 top  (not fitted)
MX55  -  [MX]  115.54 34.58 0 top  (not fitted)
MX56  -  [MX]  134.59 34.58 0 top  (not fitted)
MX57  -  [MX]  153.64 34.58 0 top  (not fitted)
MX58  -  [MX]  172.69 34.58 0 top  (not fitted)
MX59  -  [MX]  191.74 34.58 0 top  (not fitted)
MX60  -  [MX]  210.79 34.58 0 top  (not fitted)
MX61  -  [MX]  229.84 34.58 0 top  (not fitted)
MX62  -  [MX]  265.56 34.58 0 top  (not fitted)
MX63  -  [MX]  301.28 34.58 0 top  (not fitted)
MX64  -  [MX]  320.33 34.58 0 top  (not fitted)
MX65  -  [MX]  339.38 34.58 0 top  (not fitted)
MX66  -  [MX]  22.67 53.63 0 top  (not fitted)
MX67  -  [MX]  41.72 15.53 0 top  (not fitted)
MX68  -  [MX]  65.53 15.53 0 top  (not fitted)
MX69  -  [MX]  136.97 15.53 0 top  (not fitted)
MX70  -  [MX]  208.41 15.53 0 top  (not fitted)
MX71  -  [MX]  232.22 15.53 0 top  (not fitted)
MX72  -  [MX]  256.03 15.53 0 top  (not fitted)
MX73  -  [MX]  279.84 15.53 0 top  (not fitted)
MX74  -  [MX]  301.28 15.53 0 top  (not fitted)
MX75  -  [MX]  320.33 15.53 0 top  (not fitted)
MX76  -  [MX]  339.38 15.53 0 top  (not fitted)
POWER1  Conn_01x02  [SolderWire-2.5sqmm_1x02_P7.2mm_D2.4mm_OD3.6mm]  103.67 14.15 0 top  (not fitted)
R1  10K  [R_0603_1608Metric_Pad0.98x0.95mm_HandSolder]  155.56 9.9 270 bottom
R2  22  [R_0603_1608Metric_Pad0.98x0.95mm_HandSolder]  165.41 8.98 270 bottom
R3  22  [R_0603_1608Metric_Pad0.98x0.95mm_HandSolder]  166.85 11.47 0 bottom
RST1  Conn_01x02  [SolderWire-2.5sqmm_1x02_P7.2mm_D2.4mm_OD3.6mm]  124.42 14.2 180 top  (not fitted)
STAB1  -  [Stabilizer_Cherry_MX_2.00u]  272.7 91.73 0 top
STAB2  -  [Stabilizer_Cherry_MX_2.00u]  270.32 53.63 0 top
STAB3  -  [Stabilizer_Cherry_MX_2.00u]  265.56 34.58 0 top
STAB4  -  [Stabilizer_Cherry_MX_6.25u]  136.97 15.53 0 top
STAB5  -  [Stabilizer_Cherry_MX_2.00u]  27.43 34.58 0 top
U1  ATmega32U4-A  [TQFP-44_10x10mm_P0.8mm]  162.98 19.04 90 bottom
USB1  Conn_01x02  [SolderWire-2.5sqmm_1x02_P7.2mm_D2.4mm_OD3.6mm]  187.43 14.61 180 top  (not fitted)
Y1  16MHz  [Crystal_HC49-U_Vertical]  153.11 16.22 90 bottom

## Library data of the parts
C1-C128 = -: ki_fp_filters: C_*
D1-D76 = -: Datasheet: https://www.vishay.com/docs/85751/1n4148ws.pdf; ki_fp_filters: D*SOD?323*
LED1-LED120 = -: Datasheet: https://cdn-shop.adafruit.com/product-files/4960/4960_SK6812MINI-E_REV02_EN.pdf; ki_fp_filters: LED*SK6812MINI*PLCC*3.5x3.5mm*P1.75mm*
MX1-MX76 = -: Datasheet: https://cdn.sparkfun.com/datasheets/Components/Switches/MX%20Series.pdf
POWER1 RST1 USB1 = -: ki_fp_filters: Connector*:*_1x??_*
R1-R3 = -: ki_fp_filters: R_*
U1 = -: Datasheet: http://ww1.microchip.com/downloads/en/DeviceDoc/Atmel-7766-8-bit-AVR-ATmega16U4-32U4_Datasheet.pdf; Description: 16MHz, 32kB Flash, 2.5kB SRAM, 1kB EEPROM, USB 2.0, TQFP-44; ki_fp_filters: TQFP*10x10mm*P0.8mm*
Y1 = -: Description: Two pin crystal; ki_fp_filters: Crystal*

## Footprints (pads in the part's own frame, mm; a bottom-side part is the same pattern mirrored in y, then rotated)
C_0402_1005Metric_Pad0.74x0.62mm_HandSolder
  rrect 0.735x0.62 smd: 1(-0.568,0) 2(0.568,0)
C_0603_1608Metric_Pad1.08x0.95mm_HandSolder
  rrect 1.075x0.95 smd: 1(-0.863,0) 2(0.863,0)
Crystal_HC49-U_Vertical
  round 1.5 hole 0.8: 1(0,0) 2(4.88,0)
D_SOD-323_HandSoldering
  rrect 1x1 smd: 1(-1.25,0) 2(1.25,0)
MX
  round 1.75 hole 1.75 unplated: (-5.08,0) (5.08,0)
  round 4 hole 4 unplated: (0,0)
  round 2.5 hole 1.5: 1(-3.81,2.54) 2(2.54,5.08)
R_0603_1608Metric_Pad0.98x0.95mm_HandSolder
  rrect 0.975x0.95 smd: 1(-0.912,0) 2(0.912,0)
SK6812MINI-E
  rect 1.8x0.82 smd: 1(3.124,0.75) 2(3.124,-0.75) 3(-3.124,-0.75) 4(-3.124,0.75)
SolderWire-2.5sqmm_1x02_P7.2mm_D2.4mm_OD3.6mm
  rrect 4x4 hole 3: 1(0,0)
  round 4 hole 3: 2(7.2,0)
Stabilizer_Cherry_MX_2.00u
  round 3.048 hole 3.048 unplated: (-11.938,6.985) (11.938,6.985)
  round 3.988 hole 3.988 unplated: (-11.938,-8.225) (11.938,-8.225)
Stabilizer_Cherry_MX_6.25u
  round 3.048 hole 3.048 unplated: (-50,6.985) (50,6.985)
  round 3.988 hole 3.988 unplated: (-50,-8.225) (50,-8.225)
TQFP-44_10x10mm_P0.8mm
  rect 1.5x0.55 smd: 1(-5.7,4) 2(-5.7,3.2) 3(-5.7,2.4) 4(-5.7,1.6) 5(-5.7,0.8) 6(-5.7,0) 7(-5.7,-0.8) 8(-5.7,-1.6) 9(-5.7,-2.4) 10(-5.7,-3.2) 11(-5.7,-4) 23(5.7,-4) 24(5.7,-3.2) 25(5.7,-2.4) 26(5.7,-1.6) 27(5.7,-0.8) 28(5.7,0) 29(5.7,0.8) 30(5.7,1.6) 31(5.7,2.4) 32(5.7,3.2) 33(5.7,4)
  rect 0.55x1.5 smd: 12(-4,-5.7) 13(-3.2,-5.7) 14(-2.4,-5.7) 15(-1.6,-5.7) 16(-0.8,-5.7) 17(0,-5.7) 18(0.8,-5.7) 19(1.6,-5.7) 20(2.4,-5.7) 21(3.2,-5.7) 22(4,-5.7) 34(4,5.7) 35(3.2,5.7) 36(2.4,5.7) 37(1.6,5.7) 38(0.8,5.7) 39(0,5.7) 40(-0.8,5.7) 41(-1.6,5.7) 42(-2.4,5.7) 43(-3.2,5.7) 44(-4,5.7)
